# Altium PCB bqCNC.PcbDoc (part 1 of 6) (continued)
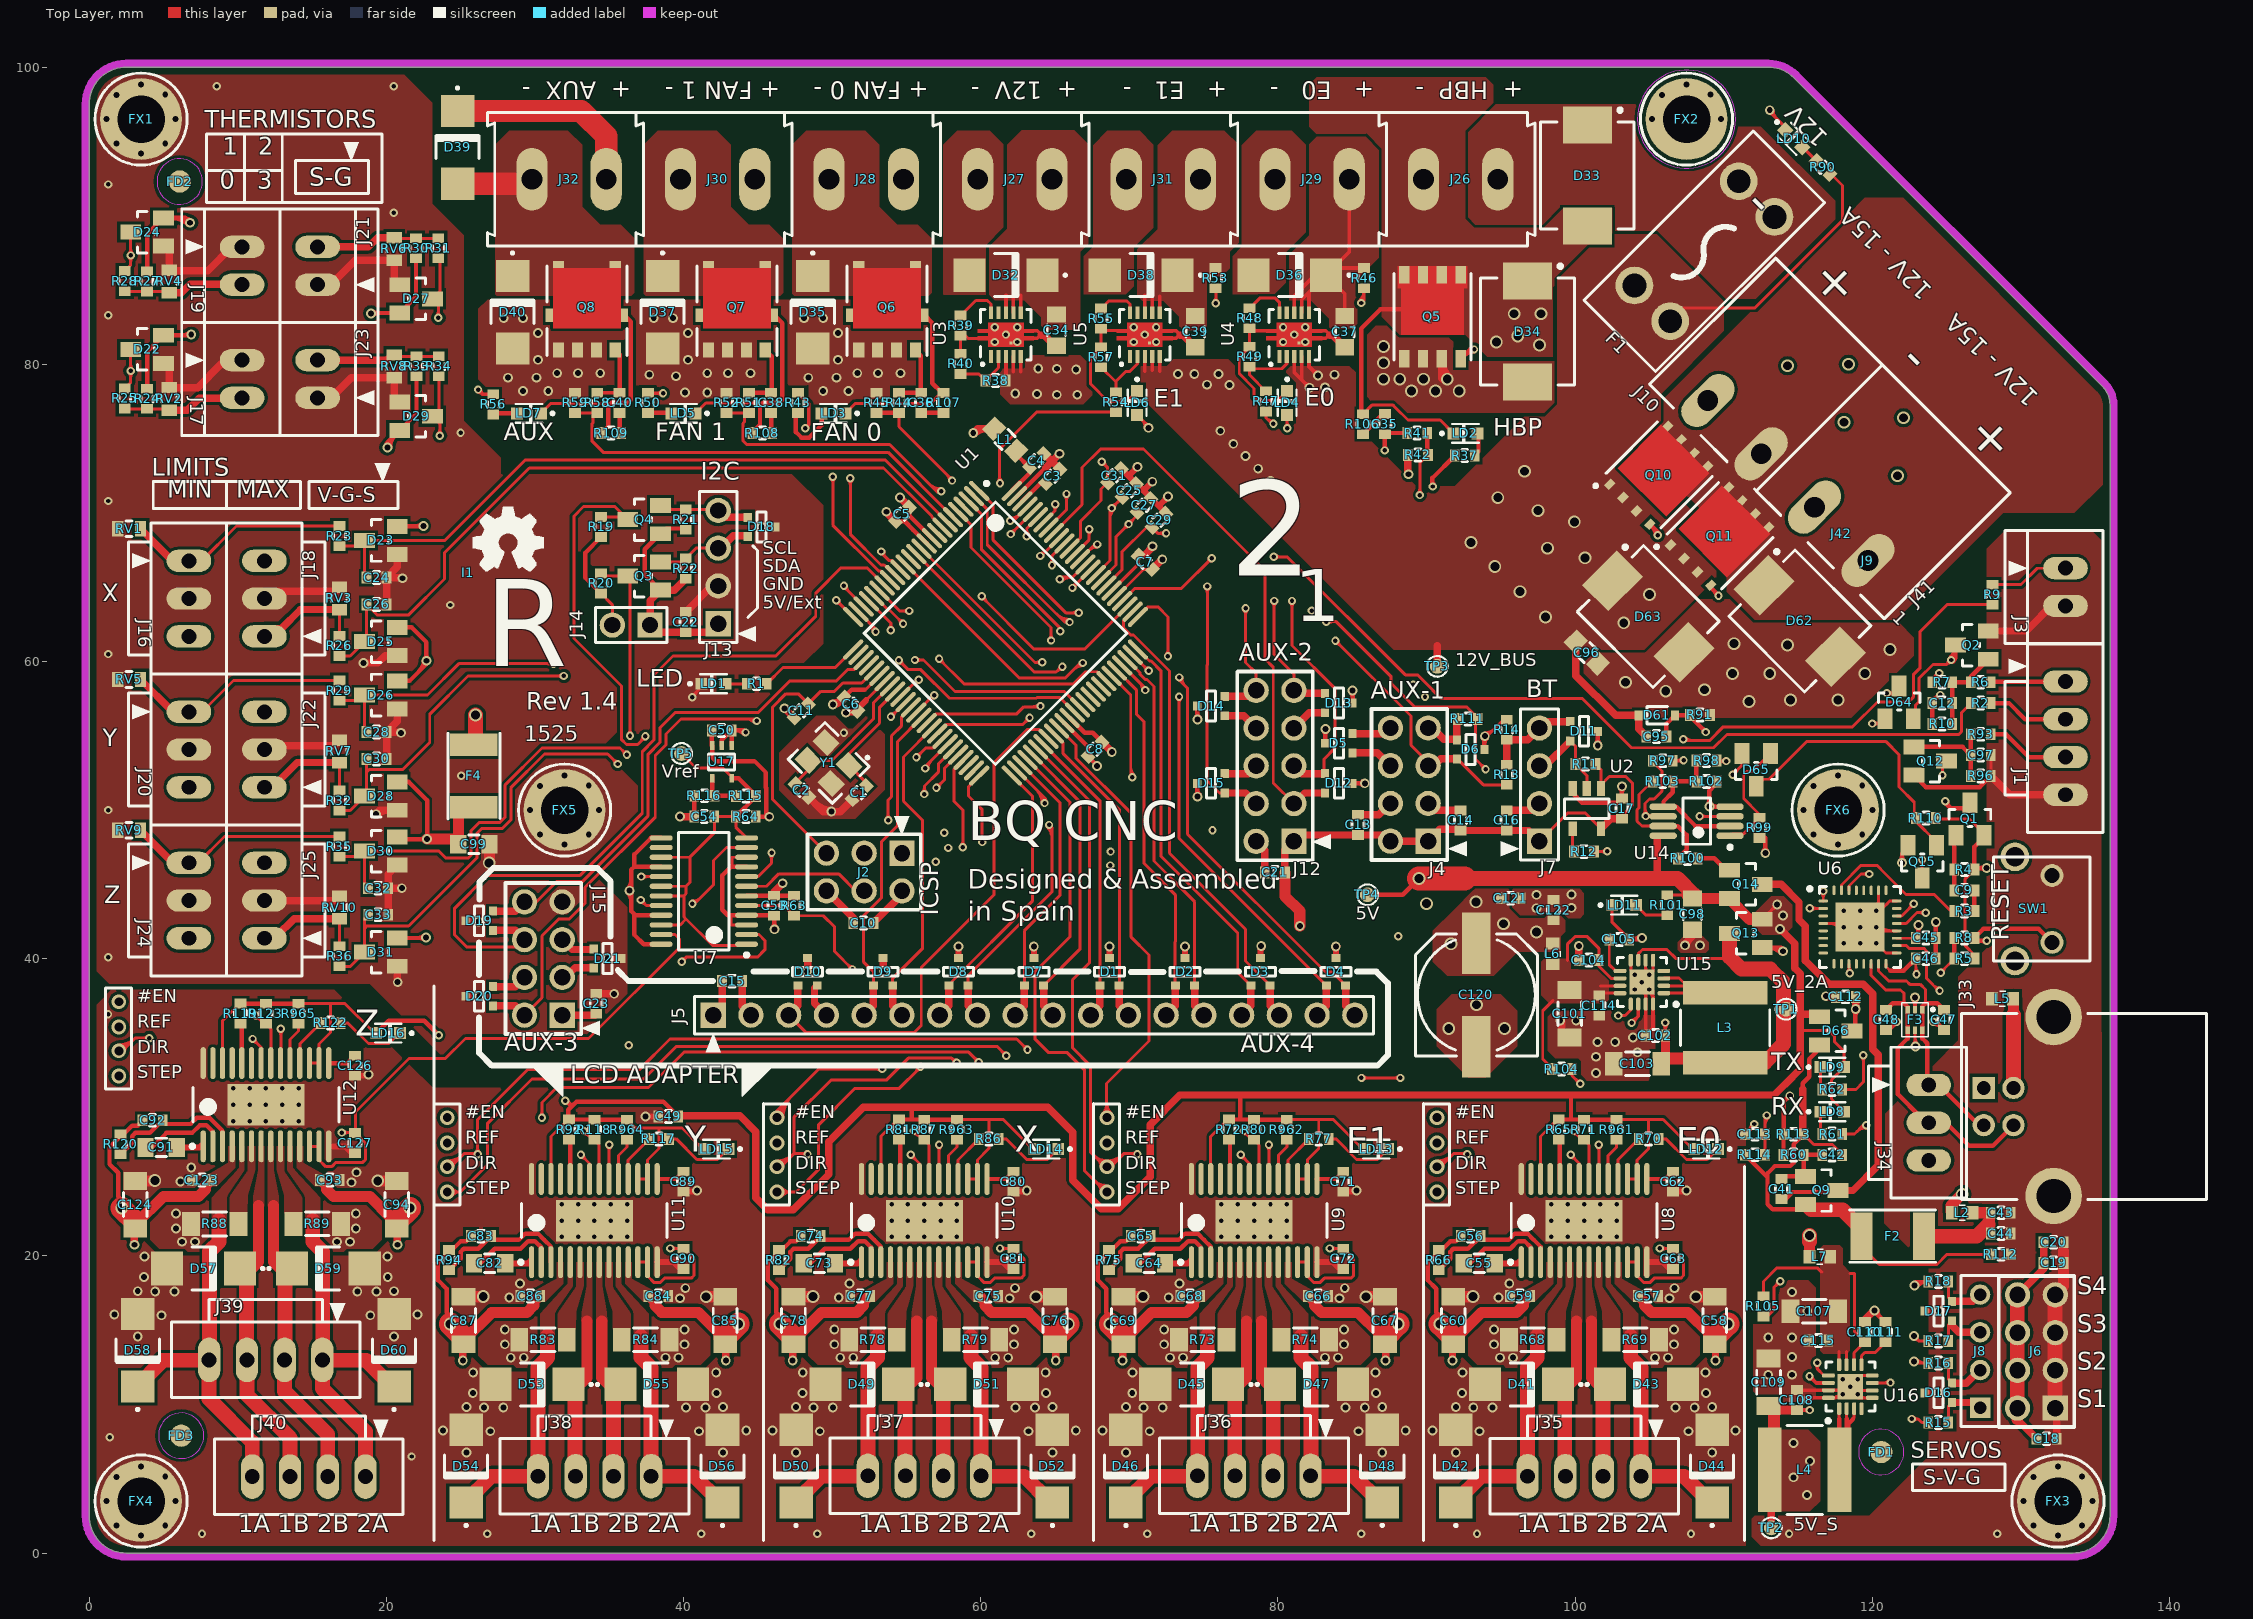
[diagram p0: Top Layer view]
## Components (designator, comment, footprint, x,y, rotation, side; value= is the part's Value field where it differs from the comment)
C1 "Capacitor" C0603 51.825,51.175 r45 top
C2 "Capacitor" C0603 47.975,51.325 r135 top
C3 "Capacitor" C0603 64.852,72.462 r45 top
C4 "Capacitor" C0603 63.777,73.519 r225 top
C5 "Capacitor" C0603 54.732,69.91 r45 top
C6 "Capacitor" C0603 51.277,57.127 r135 top
C7 "Capacitor" C0603 71.076,66.673 r315 top
C8 "Capacitor" C0603 67.694,54.091 r225 top
C9 "Capacitor" C0603 126.2,44.6 r0 top
C10 "Capacitor" C0603 52.108,42.398 r0 top
C11 "Capacitor" C0603 47.925,56.675 r45 top
C12 "Capacitor" C0603 124.7,57.2 r0 top
C13 "Capacitor" C0603 85.4,49 r90 top
C14 "Capacitor" C0603 92.3,49.3 r90 top
C15 "Capacitor" C0603 43.27,38.486 r0 top
C16 "Capacitor" C0603 95.4,49.3 r90 top
C17 "Capacitor" C0603 103.15,50.1 r270 top
C18 "Capacitor" C0603 131.73,7.694 r180 top
C19 "Capacitor" C0603 132.198,19.534 r180 top
C20 "Capacitor" C0603 132.202,20.916 r180 top
C21 "Capacitor" C0603 79.8,45.8 r0 top
C22 "Capacitor" C0603 40.15,62.65 r90 top
C23 "Capacitor" C0603 34.126,36.962 r270 top
C24 "Capacitor" C0603 19.343,65.643 r180 top
C25 "Capacitor" C0603 70,71.5 r225 top
C26 "Capacitor" C0603 19.343,63.843 r180 top
C27 "Capacitor" C0603 71,70.5 r225 top
C28 "Capacitor" C0603 19.343,55.243 r180 top
C29 "Capacitor" C0603 72,69.5 r225 top
C30 "Capacitor" C0603 19.343,53.443 r180 top
C31 "Capacitor" C0603 69,72.5 r225 top
C32 "Capacitor" C0603 19.443,44.743 r180 top
C33 "Capacitor" C0603 19.457,42.957 r180 top
C34 "Capacitor" C0805 65.1,82.3 r90 top
C35 "Capacitor" C0603 87.2,75.975 r90 top
C36 "Capacitor" C0603 56,77.4 r270 top
C37 "Capacitor" C0805 84.5,82.2 r90 top
C38 "Capacitor" C0603 45.9,77.4 r270 top
C39 "Capacitor" C0805 74.45,82.2 r90 top
C40 "Capacitor" C0603 35.7,77.4 r270 top
C41 "Capacitor" C0603 113.9,24.5 r270 top
C42 "Capacitor" C0603 117.3,26.8 r0 top
C43 "Capacitor" C0603 128.65,22.9 r180 top
C44 "Capacitor" C0603 128.65,21.5 r180 top
C45 "Capacitor" C0603 123.6,41.4 r180 top
C46 "Capacitor" C0603 123.6,40 r180 top
C47 "Capacitor" C0603 124.825,35.875 r90 top
C48 "Capacitor" C0603 120.925,35.875 r90 top
C49 "Capacitor" C0603 38.981,29.385 r0 top
C50 "Capacitor" C0603 42.569,55.365 r180 top
C53 "Capacitor" C0603 46.097,43.56 r90 top
C54 "Capacitor" C0603 41.397,49.56 r0 top
C55 "Capacitor" C0805 93.55,19.496 r0 top
C56 "Capacitor" C0603 92.971,21.325 r0 top
C57 "Capacitor" C0603 104.904,17.3 r180 top
C58 "Capacitor" C1206 109.404,15.65 r270 top
C59 "Capacitor" C0603 96.296,17.3 r0 top
C60 "Capacitor" C1206 91.804,15.65 r270 top
C62 "Capacitor" C0603 106.6,24.996 r90 top
C63 "Capacitor" C0603 106.6,19.796 r90 top (schematic designator C84)
C64 "Capacitor" C0805 71.35,19.496 r0 top (schematic designator C55)
C65 "Capacitor" C0603 70.771,21.325 r0 top (schematic designator C56)
C66 "Capacitor" C0603 82.704,17.3 r180 top (schematic designator C57)
C67 "Capacitor" C1206 87.204,15.65 r270 top (schematic designator C58)
C68 "Capacitor" C0603 74.096,17.3 r0 top (schematic designator C59)
C69 "Capacitor" C1206 69.604,15.65 r270 top (schematic designator C60)
C71 "Capacitor" C0603 84.4,24.996 r90 top (schematic designator C62)
C72 "Capacitor" C0603 84.4,19.796 r90 top (schematic designator C84)
C73 "Capacitor" C0805 49.15,19.496 r0 top (schematic designator C55)
C74 "Capacitor" C0603 48.571,21.325 r0 top (schematic designator C56)
C75 "Capacitor" C0603 60.504,17.3 r180 top (schematic designator C57)
C76 "Capacitor" C1206 65.004,15.65 r270 top (schematic designator C58)
C77 "Capacitor" C0603 51.896,17.3 r0 top (schematic designator C59)
C78 "Capacitor" C1206 47.404,15.65 r270 top (schematic designator C60)
C80 "Capacitor" C0603 62.2,24.996 r90 top (schematic designator C62)
C81 "Capacitor" C0603 62.2,19.796 r90 top (schematic designator C84)
C82 "Capacitor" C0805 26.95,19.496 r0 top (schematic designator C55)
C83 "Capacitor" C0603 26.371,21.325 r0 top (schematic designator C56)
C84 "Capacitor" C0603 38.304,17.3 r180 top (schematic designator C57)
C85 "Capacitor" C1206 42.804,15.65 r270 top (schematic designator C58)
C86 "Capacitor" C0603 29.696,17.3 r0 top (schematic designator C59)
C87 "Capacitor" C1206 25.204,15.65 r270 top (schematic designator C60)
C89 "Capacitor" C0603 40,24.996 r90 top (schematic designator C62)
C90 "Capacitor" C0603 40,19.796 r90 top (schematic designator C84)
C91 "Capacitor" C0805 4.85,27.296 r0 top (schematic designator C55)
C92 "Capacitor" C0603 4.271,29.125 r0 top (schematic designator C56)
C93 "Capacitor" C0603 16.204,25.1 r180 top (schematic designator C57)
C94 "Capacitor" C1206 20.704,23.45 r270 top (schematic designator C58)
C95 "Capacitor" C0603 105.475,54.95 r180 top (schematic designator C63)
C96 "Capacitor" C0805 100.8,60.6 r135 top (schematic designator C64)
C97 "Capacitor" C0603 127.3,53.7 r180 top (schematic designator C65)
C98 "Capacitor" C0805 107.9,43 r90 top (schematic designator C66)
C99 "Capacitor" C0805 25.9,47.7 r180 top (schematic designator C67)
C101 "Capacitor" C1206 99.625,36.3 r90 top (schematic designator C69)
C102 "Capacitor" C0603 105.4,34.825 r0 top (schematic designator C70)
C103 "Capacitor" C1206 104.2,32.925 r0 top (schematic designator C71)
C104 "Capacitor" C0603 100.925,39.9 r0 top (schematic designator C72)
C105 "Capacitor" C0603 102.975,41.3 r180 top (schematic designator C73)
C107 "Capacitor" C1206 116.1,16.275 r0 top (schematic designator C69)
C108 "Capacitor" C0603 114.925,10.3 r270 top (schematic designator C70)
C109 "Capacitor" C1206 113.025,11.5 r270 top (schematic designator C71)
C110 "Capacitor" C0603 119.5,14.875 r270 top (schematic designator C72)
C111 "Capacitor" C0603 120.9,14.875 r270 top (schematic designator C73)
C112 "Capacitor" C0603 118.207,37.434 r0 top (schematic designator C74)
C113 "Capacitor" C0603 112.107,28.185 r0 top (schematic designator C75)
C114 "Capacitor" C0603 101.625,36.846 r90 top (schematic designator C76)
C115 "Capacitor" C0603 116.371,14.3 r0 top (schematic designator C76)
C120 "Electrolytic" CASE_E7 93.356,37.559 r0 top (schematic designator C81)
C121 "Capacitor" C0603 95.669,44.067 r180 top (schematic designator C82)
C122 "Capacitor" C0603 98.558,43.269 r270 top (schematic designator C83)
C123 "Capacitor" C0603 7.596,25.1 r0 top (schematic designator C59)
C124 "Capacitor" C1206 3.104,23.45 r270 top (schematic designator C60)
C126 "Capacitor" C0603 17.9,32.796 r90 top (schematic designator C62)
C127 "Capacitor" C0603 17.9,27.596 r90 top (schematic designator C84)
D1 "PESD5V" SOT323_3_SC70 68.67,39.121 r180 top
D2 "PESD5V" SOT323_3_SC70 73.75,39.121 r180 top
D3 "PESD5V" SOT323_3_SC70 78.83,39.121 r180 top
D4 "PESD5V" SOT323_3_SC70 83.91,39.121 r180 top
D5 "PESD5V" SOT323_3_SC70 84.1,54.5 r270 top
D6 "PESD5V" SOT323_3_SC70 92.971,54.078 r90 top
D7 "PESD5V" SOT323_3_SC70 63.59,39.121 r180 top
D8 "PESD5V" SOT323_3_SC70 58.51,39.121 r180 top
D9 "PESD5V" SOT323_3_SC70 53.43,39.121 r180 top
D10 "PESD5V" SOT323_3_SC70 48.35,39.121 r180 top
D11 "PESD5V" SOT323_3_SC70 100.6,55.3 r90 top
D12 "PESD5V" SOT323_3_SC70 84.1,51.8 r90 top
D13 "PESD5V" SOT323_3_SC70 84.1,57.2 r90 top
D14 "PESD5V" SOT323_3_SC70 75.5,57 r270 top
D15 "PESD5V" SOT323_3_SC70 75.5,51.8 r270 top
D16 "PESD5V" SOT323_3_SC70 124.448,10.784 r270 top
D17 "PESD5V" SOT323_3_SC70 124.448,16.284 r270 top
D18 "PESD5V" SOT323_3_SC70 45.25,69.05 r90 top
D19 "PESD5V" SOT323_3_SC70 26.252,42.55 r270 top
D20 "PESD5V" SOT323_3_SC70 26.252,37.47 r270 top
D21 "PESD5V" SOT323_3_SC70 34.888,40.01 r90 top
D22 "BAT54S" SOT23-3 3.9,81 r270 top
D23 "BAT54S" SOT23-3 19.643,68.143 r270 top
D24 "BAT54S" SOT23-3 3.9,88.9 r270 top
D25 "BAT54S" SOT23-3 19.643,61.343 r270 top
D26 "BAT54S" SOT23-3 19.643,57.743 r270 top
D27 "BAT54S" SOT23-3 22,84.4 r90 top
D28 "BAT54S" SOT23-3 19.643,50.943 r270 top
D29 "BAT54S" SOT23-3 22,76.5 r90 top
D30 "BAT54S" SOT23-3 19.643,47.243 r270 top
D31 "BAT54S" SOT23-3 19.643,40.443 r270 top
D32 "SMBJ14A" DO-214AA 61.7,86 r180 top
D33 "SMCJ14A" DO-214AB-SMC 100.825,92.7 r270 top
D34 "SMCJ14A" DO-214AB-SMC 96.8,82.2 r270 top
D35 "SMBJ14A" DO-214AA 48.7,83.5 r270 top
D36 "SMBJ14A" DO-214AA 80.8,86 r180 top
D37 "SMBJ14A" DO-214AA 38.6,83.5 r270 top
D38 "SMBJ14A" DO-214AA 70.8,86 r180 top
D39 "SMBJ14A" DO-214AA 24.8,94.6 r270 top
D40 "SMBJ14A" DO-214AA 28.5,83.5 r270 top
D41 "SMBJ24A" DO-214AA 96.4,11.35 r180 top
D42 "SMBJ24A" DO-214AA 91.975,5.85 r90 top
D43 "SMBJ24A" DO-214AA 104.8,11.35 r0 top
D44 "SMBJ24A" DO-214AA 109.225,5.85 r90 top
D45 "SMBJ24A" DO-214AA 74.2,11.35 r180 top (schematic designator D41)
D46 "SMBJ24A" DO-214AA 69.775,5.85 r90 top (schematic designator D42)
D47 "SMBJ24A" DO-214AA 82.6,11.35 r0 top (schematic designator D43)
D48 "SMBJ24A" DO-214AA 87.025,5.85 r90 top (schematic designator D44)
D49 "SMBJ24A" DO-214AA 52,11.35 r180 top (schematic designator D41)
D50 "SMBJ24A" DO-214AA 47.575,5.85 r90 top (schematic designator D42)
D51 "SMBJ24A" DO-214AA 60.4,11.35 r0 top (schematic designator D43)
D52 "SMBJ24A" DO-214AA 64.825,5.85 r90 top (schematic designator D44)
D53 "SMBJ24A" DO-214AA 29.8,11.35 r180 top (schematic designator D41)
D54 "SMBJ24A" DO-214AA 25.375,5.85 r90 top (schematic designator D42)
D55 "SMBJ24A" DO-214AA 38.2,11.35 r0 top (schematic designator D43)
D56 "SMBJ24A" DO-214AA 42.625,5.85 r90 top (schematic designator D44)
D57 "SMBJ24A" DO-214AA 7.7,19.15 r180 top (schematic designator D41)
D58 "SMBJ24A" DO-214AA 3.275,13.65 r90 top (schematic designator D42)
D59 "SMBJ24A" DO-214AA 16.1,19.15 r0 top (schematic designator D43)
D60 "SMBJ24A" DO-214AA 20.525,13.65 r90 top (schematic designator D44)
D61 "BZX384C10" SOD323 105.5,56.375 r180 top (schematic designator D45)
D62 "SMCJ14CA" DO-214AB-SMC 115.125,62.725 r315 top (schematic designator D46)
D63 "SMCJ14A" DO-214AB-SMC 104.925,63.025 r315 top (schematic designator D47)
D64 "BAT54C-G3-08" SOT23-3 121.809,57.244 r180 top (schematic designator D48)
D65 "BAT54A-G3-08" SOT23-3 112.19,52.706 r0 top (schematic designator D49)
D66 "BAT54C-G3-08" SOT23-3 117.543,35.141 r90 top (schematic designator D50)
F1 "FUSE 15A" Fuse_Holder_TH_3568 106.4,82.9 r45 top
F2 "PTC_Fuse" F1812 121.375,21.325 r180 top
F3 "ESDUSB" SOT563 122.875,35.875 r270 top
F4 "PTC_Fuse" F1812 25.9,52.3 r270 top
FD1 "Fiducial" Fiducial 120.6,6.8 r0 top
FD2 "Fiducial" Fiducial 6.1,92.3 r0 top
FD3 "Fiducial" Fiducial 6.2,7.9 r0 top
FX1 "Fix Hole" Fix_Hole_3mm_5mmPad#1 3.6,96.7 r0 top
FX2 "Fix Hole" Fix_Hole_3mm_5mmPad#2 108.2,96.4 r0 top
FX3 "Fix Hole" Fix_Hole_3mm_5mmPad#3 132.75,3.25 r0 top
FX4 "Fix Hole" Fix_Hole_3mm_5mmPad#4 3.5,4.1 r0 top
FX5 "Fix Hole" Fix_Hole_3mm#1 32,49.25 r0 top
FX6 "Fix Hole" Fix_Hole_3mm#2 109,50 r0 top
I1 "open_hw_Logo" open_hw_Logo_small 25.5,65.975 r0 top
J1 "1x4 Header" "1x4 MTE Straight Header 2.54mm" 133,58.65 r90 top
J2 "2x3 pin Header 2.54mm" "2x3 Pin Header 2.54" 54.7,47.1 r180 top
J3 "1x2 Header" "1x2 MTE Straight Header 2.54mm" 133,66.28 r90 top
J4 "2x4 pin Header 2.54mm" "2x4 Pin Header 2.54" 90.115,47.906 r90 top
J5 "1x18 pin Header 2.54mm" "1x18 Pin Header 2.54" 42,36.2 r0 top
J6 "2x4 pin Header 2.54mm" "2x4 Pin Header 2.54" 132.315,9.756 r90 top (schematic designator J8)
J7 "1x4 Socket Header 2.54mm" "1x4 Socket Header THT 2.54mm" 97.6,47.9 r90 top
J8 "1x4 pin Header 2.54mm" "1x4 Pin Header 2.54"#1 127.255,9.775 r90 top (schematic designator J6)
J9 "TB_4_Screw_Plug" TB_RA_4_5.08_Plug 119.708,66.793 r225 top
J10 "TB_4_Screw_Header" TB_RA_4_5.08 119.71,66.793 r225 top
J12 "2x5 pin Header 2.54mm" "2x5 Pin Header 2.54" 81.079,47.898 r90 top
J13 "1x4 pin Header 2.54mm" "1x4 Pin Header 2.54"#2 42.34,62.544 r90 top
J14 "JP" "1x2 Pin Header 2.54" 37.75,62.45 r180 top
J15 "2x4 pin Header 2.54mm" "2x4 Pin Header 2.54" 31.84,36.2 r90 top
J16 "1x3 Header" "1x3 MTE Straight Header 2.54mm" 6.72,66.772 r90 top
J17 "1x2 Header" "1x2 MTE Straight Header 2.54mm" 10.3,80.28 r90 top
J18 "1x3 Header" "1x3 MTE Straight Header 2.54mm" 11.8,61.692 r270 top
J19 "1x2 Header" "1x2 MTE Straight Header 2.54mm" 10.3,87.9 r90 top
J20 "1x3 Header" "1x3 MTE Straight Header 2.54mm" 6.72,56.612 r90 top
J21 "1x2 Header" "1x2 MTE Straight Header 2.54mm" 15.38,85.36 r270 top
J22 "1x3 Header" "1x3 MTE Straight Header 2.54mm" 11.8,51.532 r270 top
J23 "1x2 Header" "1x2 MTE Straight Header 2.54mm" 15.38,77.74 r270 top
J24 "1x3 Header" "1x3 MTE Straight Header 2.54mm" 6.72,46.452 r90 top
J25 "1x3 Header" "1x3 MTE Straight Header 2.54mm" 11.8,41.372 r270 top
J26 "TB_2_Screw" TB_5.00_2_Screw_15A 94.8,92.45 r180 top
J27 "TB_2_Screw" TB_5.00_2_Screw_15A 64.8,92.45 r180 top
J28 "TB_2_Screw" TB_5.00_2_Screw_15A 54.8,92.45 r180 top
J29 "TB_2_Screw" TB_5.00_2_Screw_15A 84.8,92.45 r180 top
J30 "TB_2_Screw" TB_5.00_2_Screw_15A 44.8,92.45 r180 top
J31 "TB_2_Screw" TB_5.00_2_Screw_15A 74.8,92.45 r180 top
J32 "TB_2_Screw" TB_5.00_2_Screw_15A 34.8,92.45 r180 top
J33 "USB_TypeB" USB_TypeB 127.5,31.3 r90 top
J34 "USB" "1x3 MTE Straight Header 2.54mm" 123.8,31.5 r90 top
J35 "1x4 Header" "1x4 MTE Straight Header 2.54mm" 104.425,5.175 r0 top
J36 "1x4 Header" "1x4 MTE Straight Header 2.54mm" 82.2,5.2 r0 top
J37 "1x4 Header" "1x4 MTE Straight Header 2.54mm" 60.025,5.2 r0 top
J38 "1x4 Header" "1x4 MTE Straight Header 2.54mm" 37.825,5.175 r0 top
J39 "1x4 Header" "1x4 MTE Straight Header 2.54mm" 15.7,13 r0 top
J40 "1x4 Header" "1x4 MTE Straight Header 2.54mm" 18.6,5.15 r0 top
J41 "TB_2_Screw_Plug" TB_RA_2_5.08_Plug 119.708,66.793 r225 top
J42 "TB_2_Screw_Header" TB_RA_2_5.08 119.71,66.793 r225 top
L1 "10uH 0,1A" L0805 61.64,74.936 r315 top
L2 "BLM18SG121TN1D" L0603 126.05,22.9 r0 top
L3 "2,2uH 3,7A" TY_NRS6028 110.1,35.35 r270 top
L4 "2,2uH 3,7A" TY_NRS6028 115.45,5.6 r180 top (schematic designator L3)
L5 "BLM18SG121TN1D" L0603 128.765,37.307 r0 top (schematic designator L4)
L6 "BLM18SG121TN1D" L0603 98.496,40.325 r270 top (schematic designator L5)
L7 "BLM18SG121TN1D" L0603 116.475,19.946 r0 top (schematic designator L5)
LD1 "Red" LED0603 42.025,58.5 r270 top
LD2 "Yellow" LED0603 92.625,75.35 r270 top
LD3 "Green" LED0603 50.1,76.7 r90 top
LD4 "Green" LED0603 80.625,77.4 r180 top
LD5 "Green" LED0603 40,76.7 r90 top
LD6 "Green" LED0603 70.525,77.4 r180 top
LD7 "Green" LED0603 29.6,76.7 r90 top
LD8 "Green" LED0603 117.3,29.7 r270 top
LD9 "Yellow" LED0603 117.3,32.7 r270 top
LD10 "White" LED0603 114.71,95.172 r225 top
LD11 "White" LED0603 103.3,43.6 r270 top
LD12 "Red" LED0603 108.822,27.186 r90 top
LD13 "Red" LED0603 86.622,27.186 r90 top (schematic designator LD12)
LD14 "Red" LED0603 64.422,27.186 r90 top (schematic designator LD12)
LD15 "Red" LED0603 42.222,27.186 r90 top (schematic designator LD12)
LD16 "Red" LED0603 20.122,34.986 r90 top (schematic designator LD12)
Q1 "DMP2035U-7" SOT23-3 126.575,49.4 r180 top
Q2 "FDV301N" SOT23-3 126.7,61.1 r270 top
Q3 "FDV301N" SOT23-3 37.35,65.75 r270 top
Q4 "FDV301N" SOT23-3 37.35,69.55 r270 top
Q5 "PSMN2R0" NXP_LFPAK56 90.4,83.2 r0 top
Q6 "NTMFS4955" OS_DFN5 53.7,83.7 r0 top
Q7 "NTMFS4955" OS_DFN5 43.6,83.7 r0 top
Q8 "NTMFS4955" OS_DFN5 33.5,83.7 r0 top
Q9 "DMP2035U-7" SOT23-3 116.6,24.4 r90 top
Q10 "SI7157DP" AO_DFN5x6 105.625,72.525 r315 top
Q11 "SI7157DP" AO_DFN5x6 109.725,68.425 r315 top
Q12 "FDV301N" SOT23-3 123.9,53.3 r90 top
Q13 "DMP2035U-7" SOT23-3 111.5,41.7 r270 top
Q14 "DMP2035U-7" SOT23-3 111.5,45 r90 top
Q15 "FDV301N" SOT23-3 123.365,46.531 r0 top
R1 "Resistor" R0603 44.925,58.5 r180 top
R2 "Resistor" R0603 127.3,57.2 r0 top
R3 "Resistor" R0603 126.2,43.2 r180 top
R4 "Resistor" R0603 126.2,46 r0 top
R5 "Resistor" R0603 126.2,40 r0 top
R6 "Resistor" R0603 127.3,58.6 r0 top
R7 "Resistor" R0603 124.7,58.6 r0 top
R8 "Resistor" R0603 126.2,41.4 r180 top
R9 "Resistor" R0603 128.1,64.5 r90 top
R10 "Resistor" R0603 124.7,55.8 r0 top
R11 "Resistor" R0603 100.7,53.1 r0 top
R12 "Resistor" R0603 100.6,47.2 r0 top
R13 "Resistor" R0603 95.4,52.375 r90 top
R14 "Resistor" R0603 95.4,55.4 r270 top
R15 "100R ±5% 0.1W" R0603 124.448,8.784 r0 top
R16 "100R ±5% 0.1W" R0603 124.448,12.784 r0 top
R17 "100R ±5% 0.1W" R0603 124.448,14.284 r0 top
R18 "100R ±5% 0.1W" R0603 124.448,18.284 r0 top
R19 "Resistor" R0603 34.45,69.05 r90 top
R20 "Resistor" R0603 34.45,65.25 r90 top
R21 "Resistor" R0603 40.15,69.55 r90 top
R22 "Resistor" R0603 40.15,66.25 r90 top
R23 "Resistor" R0603 16.843,68.443 r270 top
R24 "Resistor" R0603 3.9,77.674 r90 top
R25 "Resistor" R0603 2.4,77.7 r90 top
R26 "Resistor" R0603 16.843,61.043 r270 top
R27 "Resistor" R0603 3.9,85.574 r90 top
R28 "Resistor" R0603 2.4,85.6 r90 top
R29 "Resistor" R0603 16.843,58.043 r270 top
R30 "Resistor" R0603 22,87.8 r270 top
R31 "Resistor" R0603 23.5,87.8 r270 top
R32 "Resistor" R0603 16.843,50.643 r270 top
R33 "Resistor" R0603 22.034,79.86 r270 top
R34 "Resistor" R0603 23.534,79.86 r270 top
R35 "Resistor" R0603 16.843,47.543 r270 top
R36 "Resistor" R0603 16.857,40.157 r270 top
R37 "Resistor" R0603 92.575,73.85 r180 top
R38 "Resistor" R0603 61,78.9 r180 top
R39 "Resistor" R0603 58.652,82.608 r90 top
R40 "Resistor" R0603 58.65,80.025 r270 top
R41 "Resistor" R0603 89.375,75.375 r180 top
R42 "Resistor" R0603 89.425,73.9 r0 top
R43 "Resistor" R0603 47.7,77.4 r90 top
R44 "Resistor" R0603 54.5,77.4 r90 top
R45 "Resistor" R0603 53,77.4 r270 top
R46 "Resistor" R0603 85.8,85.8 r90 top
R47 "Resistor" R0603 79.2,77.5 r90 top
R48 "Resistor" R0603 78.1,83.1 r90 top
R49 "Resistor" R0603 78.1,80.5 r270 top
R50 "Resistor" R0603 37.6,77.4 r90 top
R51 "Resistor" R0603 44.4,77.4 r90 top
R52 "Resistor" R0603 42.9,77.4 r270 top
R53 "Resistor" R0603 75.8,85.8 r90 top
R54 "Resistor" R0603 69.1,77.45 r90 top
R55 "Resistor" R0603 68.1,83.075 r90 top
R56 "Resistor" R0603 27.2,77.3 r90 top
R57 "Resistor" R0603 68.1,80.475 r270 top
R58 "Resistor" R0603 34.2,77.4 r90 top
R59 "Resistor" R0603 32.7,77.4 r270 top
R60 "Resistor" R0603 114.7,26.8 r180 top
R61 "Resistor" R0603 117.3,28.2 r180 top
R62 "Resistor" R0603 117.3,31.2 r180 top
R63 "Resistor" R0603 47.428,43.565 r270 top
R64 "Resistor" R0603 44.197,49.56 r0 top
R65 "Resistor" R0603 98.9,28.504 r270 top
R66 "Resistor" R0603 90.825,19.721 r90 top
R68 "Resistor" R1206 97.15,14.35 r0 top
R69 "Resistor" R1206 104.05,14.35 r180 top
R70 "Resistor" R0603 104.95,27.875 r0 top (schematic designator R72)
R71 "Resistor" R0603 100.6,28.496 r90 top (schematic designator R74)
R72 "Resistor" R0603 76.7,28.504 r270 top (schematic designator R65)
R73 "Resistor" R1206 74.95,14.35 r0 top (schematic designator R68)
R74 "Resistor" R1206 81.85,14.35 r180 top (schematic designator R69)
R75 "Resistor" R0603 68.625,19.721 r90 top (schematic designator R66)
R77 "Resistor" R0603 82.75,27.875 r0 top (schematic designator R72)
R78 "Resistor" R1206 52.75,14.35 r0 top (schematic designator R68)
R79 "Resistor" R1206 59.65,14.35 r180 top (schematic designator R69)
R80 "Resistor" R0603 78.4,28.496 r90 top (schematic designator R74)
R81 "Resistor" R0603 54.5,28.504 r270 top (schematic designator R65)
R82 "Resistor" R0603 46.425,19.721 r90 top (schematic designator R66)
R83 "Resistor" R1206 30.55,14.35 r0 top (schematic designator R68)
R84 "Resistor" R1206 37.45,14.35 r180 top (schematic designator R69)
R86 "Resistor" R0603 60.55,27.875 r0 top (schematic designator R72)
R87 "Resistor" R0603 56.2,28.496 r90 top (schematic designator R74)
R88 "Resistor" R1206 8.45,22.15 r0 top (schematic designator R68)
R89 "Resistor" R1206 15.35,22.15 r180 top (schematic designator R69)
R90 "Resistor" R0603 116.677,93.248 r315 top (schematic designator R70)
R91 "Resistor" R0603 108.4,56.4 r180 top (schematic designator R71)
R92 "Resistor" R0603 32.3,28.504 r270 top (schematic designator R65)
R93 "Resistor" R0603 127.3,55.1 r0 top (schematic designator R73)
R94 "Resistor" R0603 24.225,19.721 r90 top (schematic designator R66)
R96 "Resistor" R0603 127.3,52.3 r0 top (schematic designator R76)